# Altium PCB RFFE-Ver1A.PcbDoc (part 6 of 7)
Units mm, origin at the board's own origin, x right, y up, seen from the top; angles counter-clockwise.
Board outline 301.4 x 196.6 mm, 10 copper layers (RFsignal Top, Ground RF signal, Supply, SupplyGND, Digital signal, DigitalGND, CallTone RF, Ground Calltone, Ground RF signal (Plane6), RFsignal Bottom), stack 1.907 mm thick; 558 components, 369 nets, 2153 pads, 4580 vias.
Unrouted connection lines stored in the file: 1.
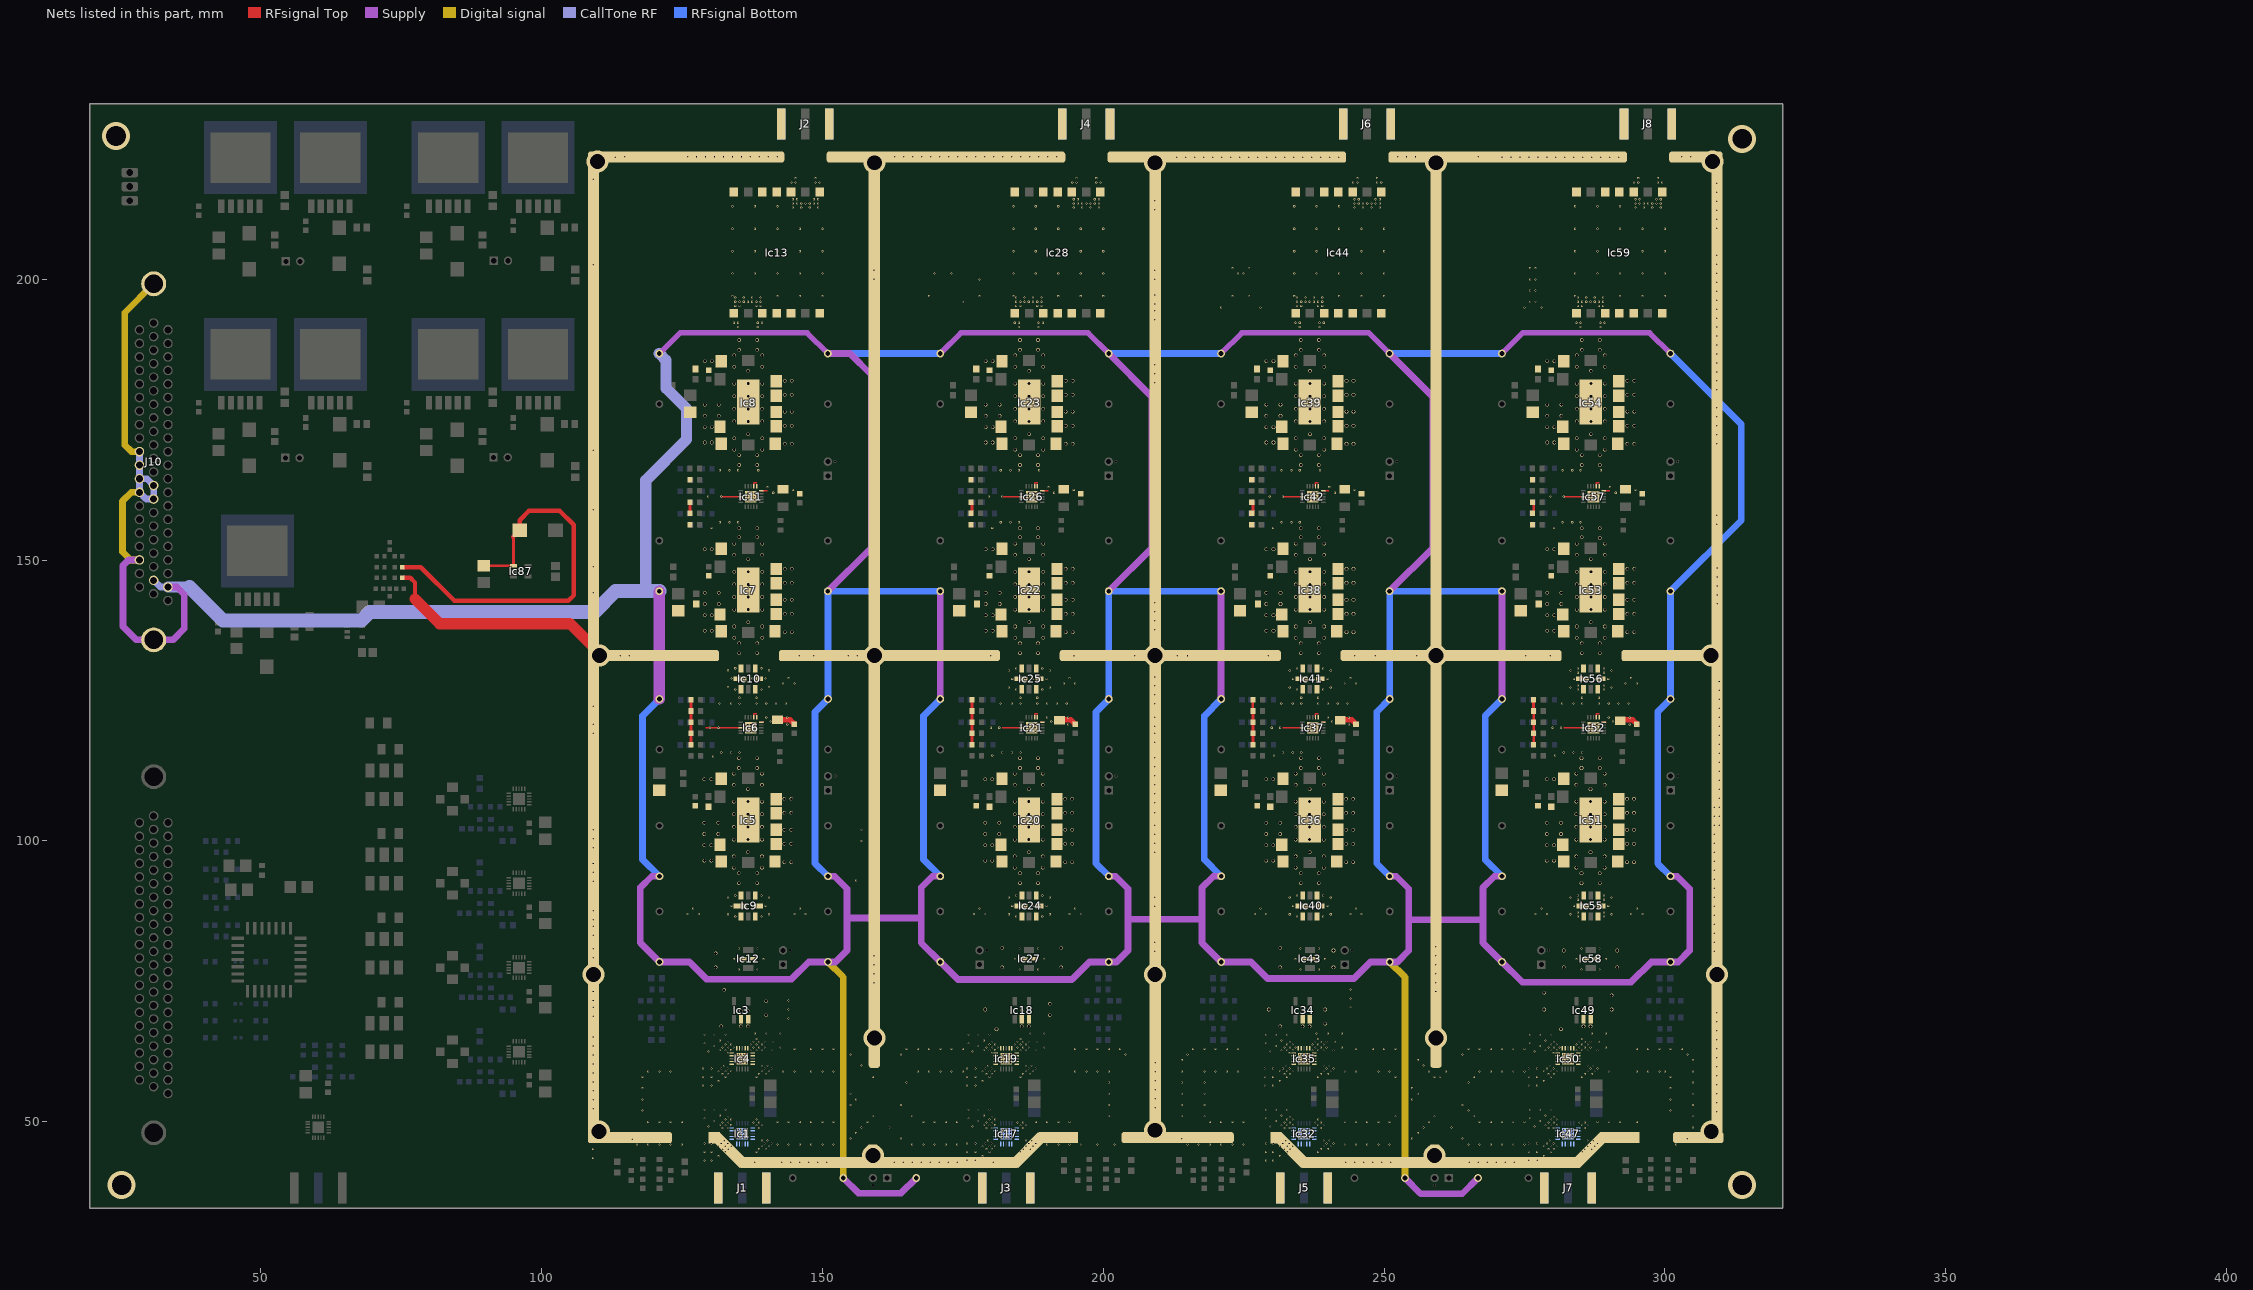
[diagram p14: the nets of this part, all layers, seen from the top]

## Via types
v1: diameter 0.35, hole 0.254, RFsignal Top to RFsignal Bottom, 1882 vias
v2: diameter 0.635, hole 0.508, RFsignal Top to RFsignal Bottom, 1038 vias
v3: diameter 0.33, hole 0.254, RFsignal Top to RFsignal Bottom, 963 vias
v4: diameter 0.381, hole 0.254, RFsignal Top to RFsignal Bottom, 596 vias
v5: diameter 1.27, hole 0.762, RFsignal Top to RFsignal Bottom, 41 vias
v6: diameter 3.9, hole 2.65, RFsignal Top to RFsignal Bottom, 20 vias
v7: diameter 0.85, hole 0.8, RFsignal Top to RFsignal Bottom, 15 vias
v8: diameter 0.635, hole 0.508, RFsignal Top to RFsignal Bottom, tented bottom, 9 vias
v9: diameter 0.6, hole 0.508, RFsignal Top to RFsignal Bottom, 8 vias
v10: diameter 5, hole 3.5, RFsignal Top to RFsignal Bottom, 4 vias
v11: diameter 1.1, hole 1, RFsignal Top to RFsignal Bottom, 2 vias
v12: diameter 1.27, hole 0.762, RFsignal Top to RFsignal Bottom, tented top, 1 vias
v13: diameter 0.85, hole 0.8, RFsignal Top to RFsignal Bottom, tented top, 1 vias

## Nets (pads, with @x,y where several pads share a name; then routed paths per layer and width w, separated by ;. In a path a pad name is that pad's centre, name@x,y a point inside that pad or via, vN(x,y) a via of type N, cw(c..) or ccw(c..) an arc to the next point about the centre after c; other vN are vias at no path point) (continued)
RFGND: C1.1 C2.2 C3.1 C4.2 C5.2 C6.2 C7.2 C22.2 C23.1 C24.1 C25.2 C26.2 C27.2 C28.2 C43.2 C44.2 C45.1 C46.2 C47.2 C48.2 C49.2 C64.1 C65.2 C66.1 C67.2 C68.2 C69.2 C70.2 C131.2 C132.2 C133.2 C134.2 C135.2 C136.2 C137.2 C138.2 C139.2 C140.2 C141.2 C142.2 C143.2 C144.2 C145.2 C146.2 C147.2 C148.2 C149.2 C150.2 C151.2 C152.2 C153.2 C154.2 Ic1.1 Ic1.2 Ic1.4 Ic1.5 Ic1.6 Ic1.7 Ic1.9 Ic1.10 Ic1.11 Ic1.12 Ic1.14 Ic1.15 Ic1.21 Ic3.1 Ic3.2 Ic4.1 Ic4.2 Ic4.4 Ic4.5 Ic4.6 Ic4.7 Ic4.9 Ic4.10 Ic4.11 Ic4.12 Ic4.14 Ic4.15 Ic4.21 Ic5.1 Ic5.2 Ic5.3 Ic5.4 Ic5.6 Ic5.8 Ic5.9 Ic5.11 Ic5.12 Ic6.10 Ic6.11 Ic6.12 Ic6.18 Ic6.21 Ic7.1 Ic7.2 Ic7.3 Ic7.4 Ic7.6 Ic7.8 Ic7.9 Ic7.11 Ic7.12 Ic8.1 Ic8.2 Ic8.3 Ic8.4 Ic8.6 Ic8.8 Ic8.9 Ic8.11 Ic8.12 Ic9.1 Ic9.3 Ic9.4 Ic9.5 Ic9.7 Ic9.8 Ic10.1 Ic10.3 Ic10.4 Ic10.5 Ic10.7 Ic10.8 Ic11.10 Ic11.11 Ic11.12 Ic11.18 Ic11.21 Ic12.2 Ic12.4 Ic13.1 Ic13.3 Ic13.4 Ic13.5 Ic13.7 Ic13.8 Ic13.10 Ic13.11 Ic13.12 Ic13.14 Ic17.1 Ic17.2 Ic17.4 Ic17.5 Ic17.6 Ic17.7 Ic17.9 Ic17.10 Ic17.11 Ic17.12 Ic17.14 Ic17.15 Ic17.21 Ic18.1 Ic18.2 Ic19.1 Ic19.2 Ic19.4 Ic19.5 Ic19.6 Ic19.7 Ic19.9 Ic19.10 Ic19.11 Ic19.12 Ic19.14 Ic19.15 Ic19.21 Ic20.1 Ic20.2 Ic20.3 Ic20.4 Ic20.6 Ic20.8 Ic20.9 Ic20.11 Ic20.12 Ic21.10 Ic21.11 Ic21.12 Ic21.18 Ic21.21 Ic22.1 Ic22.2 Ic22.3 Ic22.4 Ic22.6 Ic22.8 Ic22.9 Ic22.11 Ic22.12 Ic23.1 Ic23.2 Ic23.3 Ic23.4 Ic23.6 Ic23.8 Ic23.9 Ic23.11 Ic23.12 Ic24.1 Ic24.3 Ic24.4 Ic24.5 Ic24.7 Ic24.8 Ic25.1 Ic25.3 Ic25.4 Ic25.5 Ic25.7 Ic25.8 Ic26.10 Ic26.11 Ic26.12 Ic26.18 Ic26.21 Ic27.2 Ic27.4 Ic28.1 Ic28.3 Ic28.4 Ic28.5 Ic28.7 Ic28.8 Ic28.10 Ic28.11 Ic28.12 Ic28.14 Ic32.1 Ic32.2 Ic32.4 Ic32.5 Ic32.6 Ic32.7 Ic32.9 Ic32.10 Ic32.11 Ic32.12 Ic32.14 Ic32.15 Ic32.21 Ic34.1 Ic34.2 Ic35.1 Ic35.2 Ic35.4 Ic35.5 Ic35.6 Ic35.7 Ic35.9 Ic35.10 Ic35.11 Ic35.12 Ic35.14 Ic35.15 Ic35.21 Ic36.1 Ic36.2 Ic36.3 Ic36.4 Ic36.6 Ic36.8 Ic36.9 Ic36.11 Ic36.12 Ic37.10 Ic37.11 Ic37.12 Ic37.18 Ic37.21 Ic38.1 Ic38.2 Ic38.3 Ic38.4 Ic38.6 Ic38.8 Ic38.9 Ic38.11 Ic38.12 Ic39.1 Ic39.2 Ic39.3 Ic39.4 Ic39.6 Ic39.8 Ic39.9 Ic39.11 Ic39.12 Ic40.1 Ic40.3 Ic40.4 Ic40.5 Ic40.7 Ic40.8 Ic41.1 Ic41.3 Ic41.4 Ic41.5 Ic41.7 Ic41.8 Ic42.10 Ic42.11 Ic42.12 Ic42.18 Ic42.21 Ic43.2 Ic43.4 Ic44.1 Ic44.3 Ic44.4 Ic44.5 Ic44.7 Ic44.8 Ic44.10 Ic44.11 Ic44.12 Ic44.14 Ic47.1 Ic47.2 Ic47.4 Ic47.5 Ic47.6 Ic47.7 Ic47.9 Ic47.10 Ic47.11 Ic47.12 Ic47.14 Ic47.15 Ic47.21 Ic49.1 Ic49.2 Ic50.1 Ic50.2 Ic50.4 Ic50.5 Ic50.6 Ic50.7 Ic50.9 Ic50.10 Ic50.11 Ic50.12 Ic50.14 Ic50.15 Ic50.21 Ic51.1 Ic51.2 Ic51.3 Ic51.4 Ic51.6 Ic51.8 Ic51.9 Ic51.11 Ic51.12 Ic52.10 Ic52.11 Ic52.12 Ic52.18 Ic52.21 Ic53.1 Ic53.2 Ic53.3 Ic53.4 Ic53.6 Ic53.8 Ic53.9 Ic53.11 Ic53.12 Ic54.1 Ic54.2 Ic54.3 Ic54.4 Ic54.6 Ic54.8 Ic54.9 Ic54.11 Ic54.12 Ic55.1 Ic55.3 Ic55.4 Ic55.5 Ic55.7 Ic55.8 Ic56.1 Ic56.3 Ic56.4 Ic56.5 Ic56.7 Ic56.8 Ic57.10 Ic57.11 Ic57.12 Ic57.18 Ic57.21 Ic58.2 Ic58.4 Ic59.1 Ic59.3 Ic59.4 Ic59.5 Ic59.7 Ic59.8 Ic59.10 Ic59.11 Ic59.12 Ic59.14 J1.1 J1.2 J1.3 J1.4 J2.1 J2.2 J2.3 J2.4 J3.1 J3.2 J3.3 J3.4 J4.1 J4.2 J4.3 J4.4 J5.1 J5.2 J5.3 J5.4 J6.1 J6.2 J6.3 J6.4 J7.1 J7.2 J7.3 J7.4 J8.1 J8.2 J8.3 J8.4 Jmp6.1 pad.0 R1.1 R2.1 R3.1 R4.1 R5.1 R7.1 R8.1 R9.1 R12.1 R51.1 R52.1 R53.1 R54.1 R55.1 R57.1 R58.1 R59.1 R62.1 R99.1 R100.1 R101.1 R102.1 R103.1 R105.1 R106.1 R107.1 R110.1 R149.1 R150.1 R151.1 R152.1 R153.1 R155.1 R156.1 R157.1 R160.1 | length 143.5
  RFsignal Top w0.254: 129.25,120.15 Ic6.18@135.445,120.15 ; v4(132,161.32) Ic11.18@135.445,161.32 ; Ic6.12@137.79,121.995 137.79,122.615 138.305,122.615 ; Ic11.12@137.79,163.165 137.79,163.785 138.305,163.785 ; Ic6.10@138.79,121.15 Ic6.10@139.53,121.15 ; Ic11.10@139.135,162.32 140.188,162.32 ; 182,120.15 Ic21.18@185.445,120.15 ; v4(182,161.32) Ic26.18@185.445,161.32 ; Ic21.12@187.79,121.995 187.79,122.615 188.305,122.615 ; Ic26.12@187.79,163.165 187.79,163.785 188.305,163.785 ; Ic21.10@188.79,121.15 Ic21.10@189.53,121.15 ; Ic26.10@189.135,162.32 190.188,162.32 ; 232,120.15 Ic37.18@235.445,120.15 ; v4(232,161.32) Ic42.18@235.445,161.32 ; Ic37.12@237.79,121.995 237.79,122.615 238.305,122.615 ; Ic42.12@237.79,163.165 237.79,163.785 238.305,163.785 ; Ic37.10@238.79,121.15 Ic37.10@239.53,121.15 ; Ic42.10@239.135,162.32 240.188,162.32 ; 282,120.15 Ic52.18@285.445,120.15 ; v4(282,161.32) Ic57.18@285.445,161.32 ; Ic57.21@287.29,161.32 Ic57.21@287.29,161.933 ; Ic52.12@287.79,121.995 287.79,122.615 288.305,122.615 ; Ic57.12@287.79,163.144 Ic57.12@287.79,163.165 287.79,163.785 288.305,163.785 ; Ic57.11@288.29,163.144 Ic57.11@288.29,163.165 ; Ic52.10@288.79,121.15 Ic52.10@289.53,121.15 ; Ic57.10@289.135,162.32 290.188,162.32
  RFsignal Top w0.508: R2.1@126.45,158.32 R4.1@126.45,160.32 ; R8.1@126.619,164.32 R8.1@126.64,164.32 ; R3.1@126.64,119.15 R1.1@126.64,117.15 R5.1@126.64,121.15 R7.1@126.64,123.15 126.619,123.15 126.619,125.15 R9.1@126.64,125.15 ; R58.1@176.619,164.32 R58.1@176.64,164.32 ; R51.1@176.64,117.15 R57.1@176.64,123.15 176.619,123.15 176.619,125.15 R59.1@176.64,125.15 ; R52.1@176.64,158.32 R54.1@176.64,160.32 ; R106.1@226.619,164.32 R106.1@226.64,164.32 ; R99.1@226.64,117.15 R105.1@226.64,123.15 226.619,123.15 226.619,125.15 R107.1@226.64,125.15 ; R100.1@226.64,158.32 R102.1@226.64,160.32 ; R156.1@276.619,164.32 R156.1@276.64,164.32 ; R149.1@276.64,117.15 R155.1@276.64,123.15 276.619,123.15 276.619,125.15 R157.1@276.64,125.15 ; R150.1@276.64,158.32 R152.1@276.64,160.32
  RFsignal Top w0.762: Jmp6.1@75.281,146.85 76.636,146.85 77.481,146.005 77.481,143.069
  RFsignal Top w0.965: C4.2@142,121.55 144.25,121.55 C5.2@145,120.8 ; C25.2@192,121.55 194.25,121.55 C26.2@195,120.8 ; C46.2@242,121.55 244.25,121.55 C47.2@245,120.8 ; C67.2@292,121.55 294.25,121.55 C68.2@295,120.8
  RFsignal Top w2: 77.481,143.069 81.86,138.69 105.08,138.69 pad.0@109.25,134.52
  other v1: 138,42.8 142.8,42.8 144.4,42.8 146,42.8 147.6,42.8 149.2,42.8 150.8,42.8 162.8,42.8 164.4,42.8 166,42.8 167.6,42.8 169.2,42.8 170.8,42.8 172.4,42.8 174,42.8 180.4,42.8 243.2,42.8 244.8,42.8 246.4,42.8 248,42.8 249.6,42.8 251.2,42.8 265.2,42.8 266.8,42.8 268.4,42.8 270,42.8 271.6,42.8 273.2,42.8 109.2,43.6 109.2,45.2 117,46 119,46 121,46 123,46 125,46 142,46 144,46 146,46 148,46 150,46 152,46 166,46 168,46 170,46 172,46 174,46 190,46 192,46 194,46 196,46 199,46 202,46 215,46 217,46 219,46 221,46 223,46 225,46 243,46 245,46 247,46 249,46 251,46 265,46 267,46 269,46 271,46 273,46 275,46 302,46 116.12,46.91 155,47 164,47 214,47 255,47 264,47 304,47 156,48 256,48 157,49 162,49 257,49 262,49 305,49 119,50 121,50 123,50 125,50 142,50 144,50 146,50 148,50 150,50 152,50 158,50 168,50 170,50 172,50 174,50 188,50 190,50 192,50 194,50 219,50 221,50 223,50 225,50 243,50 245,50 247,50 249,50 251,50 258,50 267,50 269,50 271,50 273,50 275,50 288,50 290,50 292,50 295,50 159,51 166,51 201,51 214,51 218,51 252,51 259,51 266,51 305,51 309.2,51.8 118,52 265,52 301,52 109.2,52.3 209.3,52.5 155,53 164,53 201,53 214,53 218,53 264,53 305,53 309.2,53.4 109.2,53.9 118,54 156,54 255,54 301,54 209.3,54.1 155,55 201,55 214,55 218,55 256,55 305,55 309.2,55 109.2,55.5 209.3,55.7 118,56 255,56 301,56 309.2,56.6 165,57 201,57 214,57 218,57 265,57 305,57 109.2,57.1 209.3,57.3 118,58 159,58 252,58 259,58 260,58 266,58 301,58 309.2,58.2 109.2,58.7 209.3,58.9 119,59 121,59 123,59 143,59 145,59 148,59 150,59 152,59 167,59 169,59 171,59 173,59 175,59 195,59 197,59 199,59 201,59 214,59 218,59 220,59 222,59 224,59 243,59 245,59 249,59 251,59 258,59 261,59 267,59 269,59 271,59 273,59 275,59 290,59 295,59 297,59 299,59 300,59 305,59 309.2,59.8 157,60 257,60 109.2,60.3 209.3,60.5 214,61 256,61 305,61 309.2,61.4 109.2,61.9 155,62 164,62 204,62 215,62 264,62 304,62 145,63 148,63 150,63 152,63 165,63 167,63 169,63 171,63 173,63 175,63 195,63 197,63 199,63 201,63 203,63 216,63 218,63 220,63 222,63 224,63 245,63 248,63 250,63 252,63 265,63 267,63 269,63 271,63 273,63 275,63 295,63 297,63 299,63 301,63 303,63 309.2,63 109.2,63.5 309.2,64.6 109.2,65.1 309.2,66.2 309.2,67.8 144,68.4 109.2,68.8 309.2,69.4 144,70 109.2,70.4 244,70.4 109.2,71.6 144,71.6 244,72 109.2,73.2 259.2,73.2 244,73.6 159.2,74.8 259.2,74.8 159.2,76.4 259.2,76.4 159.2,78 259.2,78 109.2,79.2 159.2,79.6 259.2,79.6 209.2,80.4 308.8,80.4 109.2,80.8 259.2,81.2 209.2,82 308.8,82 109.2,83.2 308.8,83.6 109.2,84.8 308.8,85.2 109.2,86 308.8,86.8 126,87 128,87 145,87 147,87 177,87 179,87 194,87 196,87 227,87 229,87 244,87 246,87 277,87 279,87 294,87 296,87 109.2,87.6 127,88 146,88 178,88 195,88 228,88 245,88 278,88 295,88 209.2,88.4 308.8,88.4 209.2,90 308.8,90 308.8,91.6 109.2,92.8 156,93 308.8,93.2 109.2,94.4 308.8,94.8 109.2,96 308.8,96.4 209.2,98 308.8,98 109.2,98.8 209.2,99.6 308.8,99.6 157,100 109.2,100.4 209.2,101.2 308.8,101.2 109.2,102 157,102 209.2,102.8 308.8,102.8 309.7,102.8 308.8,104.4 309.7,104.4 209.2,105 308.8,106 309.7,106 209.2,106.8 309.7,107.6 209.2,108.4 309.7,109.2 209.2,110 309.7,110.8 209.2,111.6 309.7,112.4 209.2,113.2 309.7,114 209.2,114.8 309.7,115.6 309.7,117.2 209.2,117.6 309.7,118.8 109.2,119.2 209.2,119.2 209.2,120.4 309.7,120.4 109.2,120.8 209.2,122 309.7,122 309.7,123.6 109.2,124 209.2,124.4 309.7,125.2 209.2,126 309.7,126.8 209.2,127.6 143,128 145,128 193,128 195,128 243,128 245,128 293,128 295,128 309.7,128.4 144,129 194,129 244,129 294,129 209.2,129.2 114,133 115.6,133 145.9,133 148.5,133 154.6,133 156.2,133 180,133 194.8,133 205.6,133 213.2,133 215,133 229.4,133 244.8,133 248.4,133 255.8,133 275.2,133 279.6,133 209.2,137.6 209.2,139.2 209.2,140.8 309.3,142.2 209.2,142.4 309.3,143.8 109.2,144.2 309.3,145.4 309.3,147 309.3,148.6 109.2,148.8 309.2,156.4 309.2,158 109.2,159 109.2,169.6 309.2,170.7 309.2,172.3 309.2,173.9 309.2,175.5 309.2,177.1 309.2,180.3 209.2,181.6 309.2,181.9 209.2,183.2 309.2,183.5 209.2,184.8 309.2,185.1 309.2,186.7 309.2,188.3 309.2,189.9 309.2,191.5 209.2,192.8 309.2,193.1 209.2,194.4 309.2,194.7 221,195 228,195 275,195 278,195 209.2,195.6 175,196 276,196 277,196 309.2,196.3 169,197 178,197 223,197 226,197 209.2,197.2 309.2,197.9 276,198 277,198 309.2,199.5 159.2,200 178,200 209.2,200 276,200 277,200 170,201 173,201 224,201 225,201 309.2,201.1 159.2,201.6 209.2,201.6 223,202 226,202 276,202 277,202 109.2,202.6 309.2,202.7 309.2,204.3 309.2,209.1 309.2,210.7 309.2,212.3 209.2,212.4 309.2,213.9 209.2,214 309.2,215.5 309.2,217.1 109.2,217.8 113.1,221.7 213.1,221.7 214.7,221.7 216.3,221.7 217.9,221.7 219.5,221.7 221.1,221.7 222.7,221.7 224.3,221.7 225.9,221.7 227.5,221.7 229.1,221.7 230.7,221.7 232.3,221.7 233.9,221.7 235.5,221.7 237.1,221.7 238.7,221.7 240.3,221.7 241.9,221.7 271,221.7 272.6,221.7 274.2,221.7 275.8,221.7 277.4,221.7 279,221.7 280.6,221.7 282.2,221.7 283.8,221.7 285.4,221.7 287,221.7 288.6,221.7 290.2,221.7 291.8,221.7 114.8,221.8 126,221.8 127.6,221.8 129.2,221.8 130.8,221.8 132.4,221.8 134,221.8 135.6,221.8 137.2,221.8 138.8,221.8 140.4,221.8 142,221.8 162.9,221.8 164.5,221.8 166.1,221.8 167.7,221.8 169.3,221.8 170.9,221.8 172.5,221.8 174.1,221.8 175.7,221.8 177.3,221.8 178.9,221.8 180.5,221.8 182.1,221.8 183.7,221.8 185.3,221.8 186.9,221.8 188.5,221.8 190.1,221.8 191.7,221.8 252.4,221.8 254,221.8 255.6,221.8 266.8,221.8 303,221.8 304.6,221.8
  other v2: 181,66.5 281.5,66.5 132,67 135.5,67 136.75,67 185.5,67 186.75,67 231.5,67 235.5,67 236.75,67 285.5,67 286.75,67 239.5,67.5 140,69 190.5,69 135.5,69.75 136.75,69.75 185.5,69.75 186.75,69.75 235.5,69.75 236.75,69.75 285.5,69.75 286.75,69.75 179,70 229.5,70 239.5,70 278.5,70 290.5,70 190.5,71 140,71.5 290.5,72.5 278.5,73 132.5,73.5 131,77.5 182,77.5 192.5,77.5 231.5,77.5 241,77.5 282,77.5 291.5,77.5 131,80 241,80.5 282,80.5 291.5,80.5 182,81 192.5,81 231.5,81 135.15,92.5 138.39,92.5 185.19,92.5 188.39,92.5 235.19,92.5 238.39,92.5 285.15,92.5 288.39,92.5 135.15,94.25 138.39,94.25 185.19,94.25 188.39,94.25 235.19,94.25 238.39,94.25 285.15,94.25 288.39,94.25 134.25,95.25 139.25,95.25 184.25,95.25 189.25,95.25 234.25,95.25 239.25,95.25 284.25,95.25 289.25,95.25 143.25,96.25 144.5,96.25 193.25,96.25 194.5,96.25 243.25,96.25 244.5,96.25 293.25,96.25 294.5,96.25 129,96.5 130.25,96.5 179,96.5 180.25,96.5 229,96.5 230.25,96.5 279,96.5 280.25,96.5 134.25,97.25 139.25,97.25 184.25,97.25 189.25,97.25 234.25,97.25 239.25,97.25 284.25,97.25 289.25,97.25 136.75,98 186.75,98 236.75,98 286.75,98 129,99.25 130.25,99.25 179,99.25 180.25,99.25 229,99.25 230.25,99.25 279,99.25 280.25,99.25 143.25,99.5 144.5,99.5 193.25,99.5 194.5,99.5 243.25,99.5 244.5,99.5 293.25,99.5 294.5,99.5 134.25,100.25 136.75,100.25 139.25,100.25 184.25,100.25 186.75,100.25 189.25,100.25 234.25,100.25 236.75,100.25 239.25,100.25 284.25,100.25 286.75,100.25 289.25,100.25 129,101.25 131.5,101.25 179,101.25 181.5,101.25 229,101.25 231.5,101.25 279,101.25 281.5,101.25 143.25,102 144.5,102 193.25,102 194.5,102 243.25,102 244.5,102 293.25,102 294.5,102 134.25,102.5 136.75,102.5 139.25,102.5 184.25,102.5 186.75,102.5 189.25,102.5 234.25,102.5 236.75,102.5 239.25,102.5 284.25,102.5 286.75,102.5 289.25,102.5 129,103.25 131.5,103.25 179,103.25 181.5,103.25 229,103.25 231.5,103.25 279,103.25 281.5,103.25 134.25,104.75 136.75,104.75 139.25,104.75 184.25,104.75 186.75,104.75 189.25,104.75 234.25,104.75 236.75,104.75 239.25,104.75 284.25,104.75 286.75,104.75 289.25,104.75 143.25,105 144.5,105 193.25,105 194.5,105 243.25,105 244.5,105 293.25,105 294.5,105 134.25,107 136.75,107 139.25,107 184.25,107 186.75,107 189.25,107 234.25,107 236.75,107 239.25,107 284.25,107 286.75,107 289.25,107 143.25,107.5 144.5,107.5 193.25,107.5 194.5,107.5 243.25,107.5 244.5,107.5 293.25,107.5 294.5,107.5 136.75,109.25 186.75,109.25 236.75,109.25 286.75,109.25 134.25,110 139.25,110 184.25,110 189.25,110 234.25,110 239.25,110 284.25,110 289.25,110 129,111 130.25,111 179,111 180.25,111 229,111 230.25,111 279,111 280.25,111 134.25,112 139.25,112 184.25,112 189.25,112 234.25,112 239.25,112 284.25,112 289.25,112 135.15,113 138.39,113 185.19,113 188.39,113 235.19,113 238.39,113 285.15,113 288.39,113 135.15,114.75 138.39,114.75 185.19,114.75 188.39,114.75 235.19,114.75 238.39,114.75 285.15,114.75 288.39,114.75 135.212,133.437 138.39,133.437 185.19,133.437 188.39,133.437 235.19,133.437 238.39,133.437 285.212,133.437 288.39,133.437 135.212,135.187 138.39,135.187 185.19,135.187 188.39,135.187 235.19,135.187 238.39,135.187 285.212,135.187 288.39,135.187 134.313,136.187 139.312,136.187 184.313,136.187 189.312,136.187 234.313,136.187 239.313,136.187 284.313,136.187 289.313,136.187 143.312,137.187 144.563,137.187 193.312,137.187 194.562,137.187 243.312,137.187 244.562,137.187 293.312,137.187 294.562,137.187 129.062,137.438 130.313,137.438 179.062,137.438 180.313,137.438 229.062,137.438 230.313,137.438 279.062,137.438 280.313,137.438 134.313,138.187 139.312,138.187 184.313,138.187 189.312,138.187 234.313,138.187 239.313,138.187 284.313,138.187 289.313,138.187 136.812,138.937 186.812,138.937 236.812,138.937 286.812,138.937 129.062,140.187 130.313,140.187 179.062,140.187 180.313,140.187 229.062,140.187 230.313,140.187 279.062,140.187 280.313,140.187 143.312,140.438 144.563,140.438 193.312,140.438 194.562,140.438 243.312,140.438 244.562,140.438 293.312,140.438 294.562,140.438 134.313,141.188 136.812,141.188 139.312,141.188 184.313,141.188 186.812,141.188 189.312,141.188 234.313,141.188 236.812,141.188 239.313,141.188 284.313,141.188 286.812,141.188 289.313,141.188 129.062,142.188 131.563,142.188 179.062,142.188 181.563,142.188 229.062,142.188 231.563,142.188 279.062,142.188 281.563,142.188 143.312,142.937 144.563,142.937 193.312,142.937 194.562,142.937 243.312,142.937 244.562,142.937 293.312,142.937 294.562,142.937 134.313,143.438 136.812,143.438 139.312,143.438 184.313,143.438 186.812,143.438 189.312,143.438 234.313,143.438 236.812,143.438 239.313,143.438 284.313,143.438 286.812,143.438 289.313,143.438 129.062,144.188 131.563,144.188 179.062,144.188 181.563,144.188 229.062,144.188 231.563,144.188 279.062,144.188 281.563,144.188 134.313,145.687 136.812,145.687 139.312,145.687 184.313,145.687 186.812,145.687 189.312,145.687 234.313,145.687 236.812,145.687 239.313,145.687 284.313,145.687 286.812,145.687 289.313,145.687 143.312,145.937 144.563,145.937 193.312,145.937 194.562,145.937 243.312,145.937 244.562,145.937 293.312,145.937 294.562,145.937 134.313,147.938 136.812,147.937 139.312,147.938 184.313,147.938 186.812,147.937 189.312,147.938 234.313,147.938 236.812,147.937 239.313,147.938 284.313,147.938 286.812,147.937 289.313,147.938 143.312,148.437 144.563,148.437 193.312,148.437 194.562,148.437 243.312,148.437 244.562,148.437 293.312,148.437 294.562,148.437 136.812,150.188 186.812,150.188 236.812,150.188 286.812,150.188 134.313,150.938 139.312,150.938 184.313,150.938 189.312,150.938 234.313,150.938 239.313,150.938 284.313,150.938 289.313,150.938 129.062,151.938 130.313,151.938 179.062,151.938 180.313,151.938 229.062,151.938 230.313,151.938 279.062,151.938 280.313,151.938 134.313,152.938 139.312,152.938 184.313,152.938 189.312,152.938 234.313,152.938 239.313,152.938 284.313,152.938 289.313,152.938 288.39,153.938 135.19,154.078 138.39,154.078 185.19,154.078 188.39,154.078 235.19,154.078 238.39,154.078 285.19,154.078 135.19,155.688 138.39,155.688 185.19,155.688 188.39,155.688 235.19,155.688 238.39,155.688 285.19,155.688 288.39,155.688 135.19,166.937 138.39,166.937 185.19,166.937 188.39,166.937 235.19,166.937 238.39,166.937 285.212,166.937 288.39,166.937 135.19,168.687 138.39,168.687 185.19,168.687 188.39,168.687 235.19,168.687 238.39,168.687 285.212,168.687 288.39,168.687 134.313,169.687 139.312,169.687 184.313,169.687 189.312,169.687 234.313,169.687 239.313,169.687 284.313,169.687 289.313,169.687 143.312,170.687 144.563,170.687 193.312,170.687 194.562,170.687 243.312,170.687 244.562,170.687 293.312,170.687 294.562,170.687 129.062,170.937 130.313,170.937 179.062,170.937 180.313,170.937 229.062,170.937 230.313,170.937 279.062,170.937 280.313,170.937 134.313,171.687 139.312,171.687 184.313,171.687 189.312,171.687 234.313,171.687 239.313,171.687 284.313,171.687 289.313,171.687 136.812,172.438 186.812,172.438 236.812,172.438 286.812,172.438 129.062,173.687 130.313,173.687 179.062,173.687 180.313,173.687 229.062,173.687 230.313,173.687 279.062,173.687 280.313,173.687 143.312,173.938 144.563,173.938 193.312,173.938 194.562,173.938 243.312,173.938 244.562,173.938 293.312,173.938 294.562,173.938 134.313,174.687 136.812,174.687 139.312,174.687 184.313,174.687 186.812,174.687 189.312,174.687 234.313,174.687 236.812,174.687 239.313,174.687 284.313,174.687 286.812,174.687 289.313,174.687 129.062,175.687 131.563,175.687 179.062,175.687 181.563,175.687 229.062,175.687 231.563,175.687 279.062,175.687 281.563,175.687 143.312,176.437 144.563,176.437 193.312,176.437 194.562,176.437 243.312,176.437 244.562,176.437 293.312,176.437 294.562,176.437 134.313,176.938 136.812,176.938 139.312,176.938 184.313,176.938 186.812,176.938 189.312,176.938 234.313,176.938 236.812,176.938 239.313,176.938 284.313,176.938 286.812,176.938 289.313,176.938 129.062,177.687 131.563,177.687 179.062,177.687 181.563,177.687 229.062,177.687 231.563,177.687 279.062,177.687 281.563,177.687 134.313,179.188 136.812,179.188 139.312,179.188 184.313,179.188 186.812,179.188 189.312,179.188 234.313,179.188 236.812,179.188 239.313,179.188 284.313,179.188 286.812,179.188 289.313,179.188 143.312,179.437 144.563,179.437 193.312,179.437 194.562,179.437 243.312,179.437 244.562,179.437 293.312,179.437 294.562,179.437 134.313,181.437 136.812,181.437 139.312,181.437 184.313,181.437 186.812,181.437 189.312,181.437 234.313,181.437 236.812,181.437 239.313,181.437 284.313,181.437 286.812,181.437 289.313,181.437 143.312,181.938 144.563,181.938 193.312,181.938 194.562,181.938 243.312,181.938 244.562,181.938 293.312,181.938 294.562,181.938 136.812,183.688 186.812,183.688 236.812,183.688 286.812,183.688 134.313,184.437 139.312,184.437 184.313,184.437 189.312,184.437 234.313,184.437 239.313,184.437 284.313,184.437 289.313,184.437 129.062,185.437 130.313,185.437 179.062,185.437 180.313,185.437 229.062,185.437 230.313,185.437 279.062,185.437 280.313,185.437 134.313,186.438 139.312,186.438 184.313,186.438 189.312,186.438 234.313,186.438 239.313,186.438 284.313,186.438 289.313,186.438 135.19,187.438 138.39,187.438 185.19,187.438 188.39,187.438 235.19,187.438 238.39,187.438 285.212,187.438 288.39,187.438 135.19,189.187 138.39,189.187 185.19,189.187 188.39,189.187 235.19,189.187 238.39,189.187 285.212,189.187 288.39,189.187